# Altium PCB 11BRANMB10H2_20170927.pcbdoc (part 6 of 11)
Units mm, origin at the board's own origin, x right, y up, seen from the top; angles counter-clockwise.
Board outline 91.65 x 48.25 mm, 6 copper layers (TOP, GND1, Singal, POWER, GND2, BOTTOM), stack 0.8 mm thick; 370 components, 289 nets, 1421 pads, 980 vias.
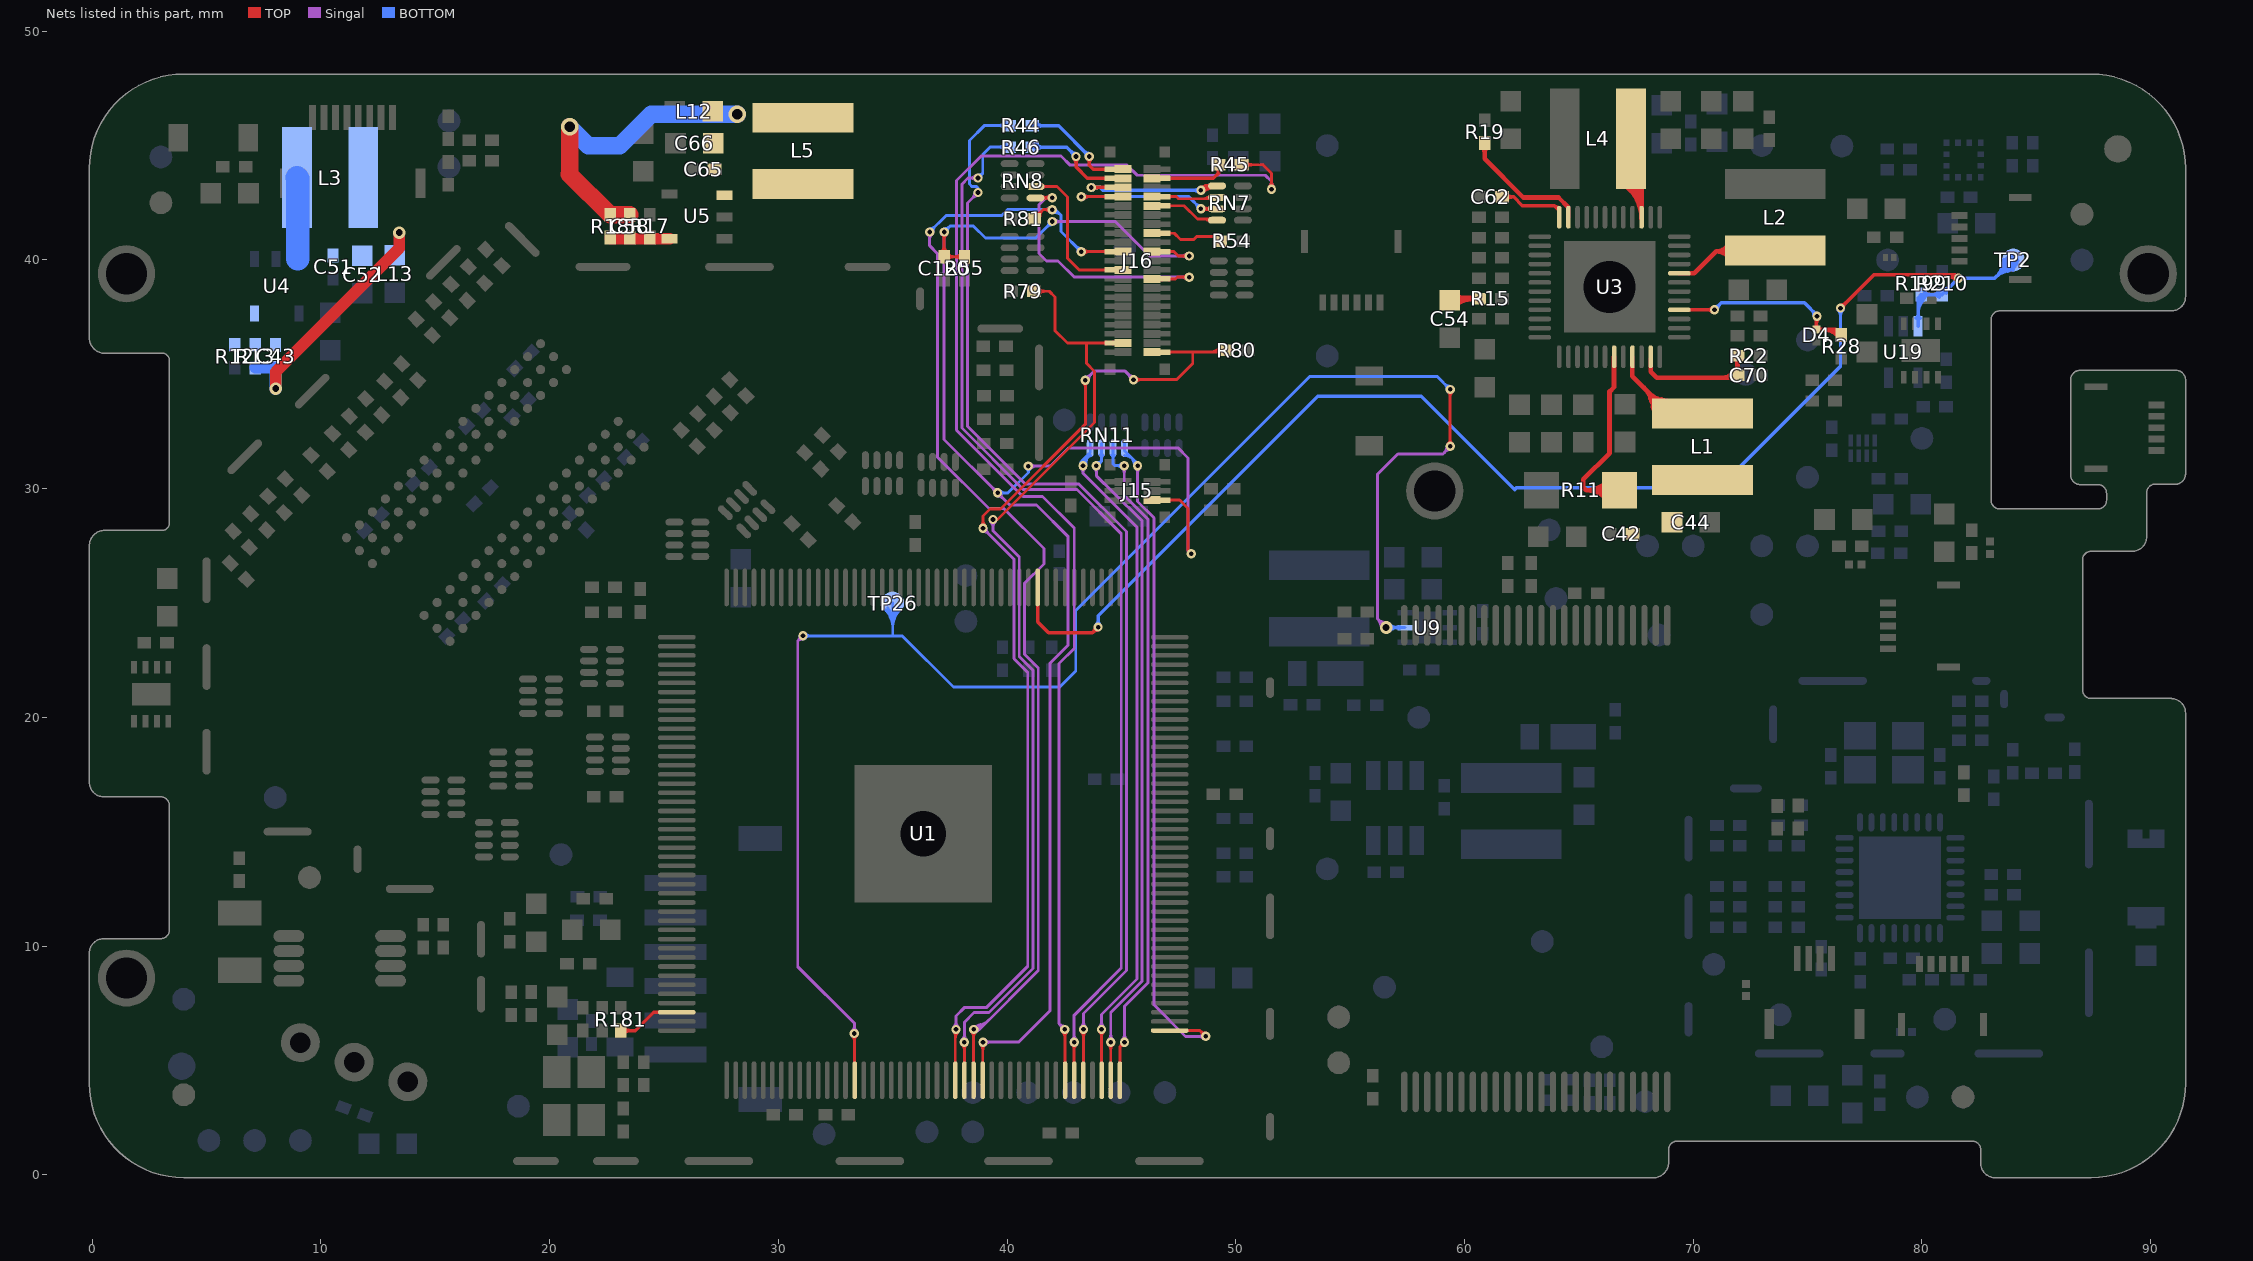
[diagram p10: the nets of this part, all layers, seen from the top]

## Via types
v1: diameter 0.406, hole 0.203, TOP to BOTTOM, tented both sides, 450 vias
v2: diameter 0.457, hole 0.254, TOP to BOTTOM, tented both sides, 256 vias
v3: diameter 0.559, hole 0.305, TOP to BOTTOM, tented both sides, 184 vias
v4: diameter 0.762, hole 0.457, TOP to BOTTOM, tented both sides, 69 vias
v5: diameter 0.61, hole 0.33, TOP to BOTTOM, tented both sides, 11 vias
v6: diameter 0.5, hole 0.2, TOP to BOTTOM, 9 vias
v7: diameter 0.508, hole 0.254, TOP to BOTTOM, tented both sides, 1 vias

## Nets (pads, with @x,y where several pads share a name; then routed paths per layer and width w, separated by ;. In a path a pad name is that pad's centre, name@x,y a point inside that pad or via, vN(x,y) a via of type N, cw(c..) or ccw(c..) an arc to the next point about the centre after c; other vN are vias at no path point) (continued)
LCD-D20: RN11.1 U1.133 | length 35.5
  TOP w0.127: U1.133@47.11,6.308 48.435,6.308 v1(48.69,6.053) ; 48.494,6.245 cw(c48.428,5.999) v1@48.678,6.05 ; 48.498,6.249 ccw(c48.744,6.315) v1@48.693,6.065 ; 48.452,6.291 ccw(c48.69,6.53) 48.69,6.193 cw(c48.69,6.53) 48.452,6.291 ; 48.452,6.291 cw(c48.213,6.053) 48.55,6.053 ccw(c48.213,6.053) 48.452,6.291
  Singal w0.127: v1(45.707,31.007) 45.707,29.442 46.422,28.727 46.422,7.432 47.801,6.053 v1(48.69,6.053) ; 45.707,30.67 ccw(c45.37,30.67) 45.608,30.908 cw(c45.37,30.67) 45.707,30.67 ; 45.707,30.67 cw(c46.044,30.67) 45.806,30.908 ccw(c46.044,30.67) 45.707,30.67 ; 48.353,6.053 ccw(c48.353,6.39) 48.591,6.152 cw(c48.353,6.39) 48.353,6.053 ; 48.353,6.053 cw(c48.353,5.716) 48.591,5.954 ccw(c48.353,5.716) 48.353,6.053
  BOTTOM w0.127: RN11.1@45.136,31.974 RN11.1@45.136,31.774 45.136,31.656 45.682,31.111 45.682,31.032 v1(45.707,31.007) ; 45.501,31.254 ccw(c45.839,31.344) v1@45.712,31.019 ; RN11.1@45.136,31.444 cw(c45.136,30.933) 45.498,31.294 ccw(c45.136,30.933) RN11.1@45.136,31.444 ; 45.413,31.379 cw(c45.041,31.007) 45.568,31.007 ccw(c45.041,31.007) 45.413,31.379 ; 45.603,31.19 ccw(c45.707,31.294) 45.707,31.147 cw(c45.707,31.294) 45.603,31.19
LCD-D21: RN11.2 U1.132 | length 33.9
  TOP w0.127: U1.132@44.935,4.133 44.935,5.6 ; v1(45.134,5.799) 44.935,5.6 ; 44.935,5.6 ccw(c44.784,5.751) 44.996,5.78 cw(c44.784,5.751) 44.935,5.6 ; 44.935,5.6 cw(c45.086,5.449) 45.115,5.661 ccw(c45.086,5.449) 44.935,5.6
  Singal w0.127: v1(45.123,31.007) 45.123,29.703 46.16,28.665 46.16,8.395 45.134,7.369 v1(45.134,5.799) ; 45.123,30.67 ccw(c44.786,30.67) 45.024,30.908 cw(c44.786,30.67) 45.123,30.67 ; 45.123,30.67 cw(c45.46,30.67) 45.222,30.908 ccw(c45.46,30.67) 45.123,30.67 ; 45.134,6.136 ccw(c45.471,6.136) 45.233,5.898 cw(c45.471,6.136) 45.134,6.136 ; 45.134,6.136 cw(c44.797,6.136) 45.035,5.898 ccw(c44.797,6.136) 45.134,6.136
  BOTTOM w0.127: RN11.2@44.636,31.974 RN11.2@44.636,31.774 44.636,31.089 44.719,31.007 v1(45.123,31.007) ; 44.636,31.318 ccw(c44.422,31.318) 44.573,31.47 cw(c44.422,31.318) 44.636,31.318 ; 44.636,31.318 cw(c44.851,31.318) 44.699,31.47 ccw(c44.851,31.318) 44.636,31.318 ; 44.786,31.007 ccw(c44.786,31.344) 45.024,31.106 cw(c44.786,31.344) 44.786,31.007 ; 44.786,31.007 cw(c44.786,30.67) 45.024,30.908 ccw(c44.786,30.67) 44.786,31.007
LCD-D22: RN11.3 U1.131 | length 34.1
  TOP w0.127: U1.131@44.535,4.133 v1@44.535,5.798 ; v1@44.435,5.7 cw(c44.194,5.459) 44.535,5.459 ccw(c44.194,5.459) v1@44.435,5.7 ; 44.535,5.465 cw(c44.868,5.465) 44.633,5.7 ccw(c44.868,5.465) 44.535,5.465
  Singal w0.127: v1(43.904,31.009) 43.904,30.569 44.648,29.825 45.905,28.596 45.905,8.464 44.534,7.092 v1(44.534,5.799) ; 43.904,30.672 ccw(c43.567,30.672) 43.805,30.91 cw(c43.567,30.672) 43.904,30.672 ; 43.904,30.672 cw(c44.241,30.672) 44.003,30.91 ccw(c44.241,30.672) 43.904,30.672 ; 44.534,6.136 ccw(c44.871,6.136) 44.633,5.898 cw(c44.871,6.136) 44.534,6.136 ; 44.534,6.136 cw(c44.197,6.136) 44.435,5.898 ccw(c44.197,6.136) 44.534,6.136
  BOTTOM w0.127: v1(43.904,31.009) 43.904,30.983 43.917,30.996 44.136,31.216 ; RN11.3@44.136,31.974 RN11.3@44.136,31.774 44.136,31.216 ; 44.136,31.216 cw(c43.963,31.389) 43.925,31.147 ccw(c43.963,31.389) 44.136,31.216 ; 44.136,31.318 ccw(c43.922,31.318) 44.074,31.47 cw(c43.922,31.318) 44.136,31.318 ; 44.136,31.318 cw(c44.351,31.318) 44.199,31.47 ccw(c44.351,31.318) 44.136,31.318 ; v1@44.044,31.009 cw(c44.318,31.009) 44.124,31.203 ccw(c44.318,31.009) v1@44.044,31.009
LCD-D23: RN11.4 U1.130 | length 37.7
  TOP w0.127: U1.130@44.135,4.133 v1@44.135,6.35 ; v1@44.029,6.259 cw(c43.771,6.002) 44.135,6.002 ccw(c43.771,6.002) v1@44.029,6.259 ; 44.135,6.039 cw(c44.446,6.039) 44.226,6.259 ccw(c44.446,6.039) 44.135,6.039
  Singal w0.127: v1(43.32,31.007) 43.32,30.674 ; v1(44.127,6.358) 44.127,7.009 45.677,8.559 45.677,28.317 43.32,30.674 ; 43.32,30.674 ccw(c42.993,30.674) 43.222,30.907 cw(c42.993,30.674) 43.32,30.674 ; 43.32,30.674 cw(c43.647,30.674) 43.417,30.907 ccw(c43.647,30.674) 43.32,30.674 ; 44.127,6.695 ccw(c44.465,6.695) 44.226,6.457 cw(c44.465,6.695) 44.127,6.695 ; 44.127,6.695 cw(c43.79,6.695) 44.029,6.457 ccw(c43.79,6.695) 44.127,6.695
  BOTTOM w0.127: v1@43.25,31.128 ccw(c43.136,31.326) 43.363,31.302 ccw(c43.634,31.274) v1@43.426,31.097 ; v1@43.312,31.017 ccw(c43.002,31.398) 43.491,31.347 ; v1(43.32,31.007) 43.32,31.263 ; 43.481,31.31 cw(c43.736,31.163) RN11.4@43.659,31.447 ; 43.537,31.408 ccw(c43.42,31.475) RN11.4@43.55,31.51 ; RN11.4@43.636,31.974 RN11.4@43.636,31.774 RN11.4@43.636,31.58 ; 43.32,31.263 ccw(c43.485,31.263) 43.395,31.124 cw(c43.485,31.263) 43.32,31.263 ; 43.32,31.263 cw(c43.155,31.263) 43.244,31.124 ccw(c43.155,31.263) 43.32,31.263 ; 43.32,31.263 RN11.4@43.636,31.58 ; RN11.4@43.636,31.58 ccw(c44.087,31.129) 43.458,31.029 cw(c44.087,31.129) RN11.4@43.636,31.58 ; v1@43.207,30.989 cw(c43.48,31.032) 43.284,31.228 ccw(c43.48,31.032) v1@43.207,30.989 ; v1@43.332,31.009 cw(c43.783,31.081) 43.46,31.404 ccw(c43.783,31.081) v1@43.332,31.009 ; 43.405,31.348 cw(c43.636,31.117) 43.636,31.444 ccw(c43.636,31.117) 43.405,31.348
LCD-DE: R44.2 U1.128 | length 53.2
  TOP w0.127: U1.128@43.335,4.133 43.34,4.138 v1(43.34,6.358) ; 43.34,6.021 ccw(c43.003,6.021) 43.241,6.259 cw(c43.003,6.021) 43.34,6.021 ; 43.34,6.021 cw(c43.677,6.021) 43.439,6.259 ccw(c43.677,6.021) 43.34,6.021
  Singal w0.127: v1(38.726,42.951) 38.269,42.494 38.269,32.73 40.803,30.196 43.147,30.196 45.22,28.123 45.22,8.933 43.34,7.053 v1(43.34,6.358) ; 38.488,42.713 ccw(c38.249,42.951) 38.586,42.951 cw(c38.249,42.951) 38.488,42.713 ; 38.488,42.713 cw(c38.726,42.474) 38.726,42.812 ccw(c38.726,42.474) 38.488,42.713 ; 43.34,6.695 ccw(c43.677,6.695) 43.439,6.457 cw(c43.677,6.695) 43.34,6.695 ; 43.34,6.695 cw(c43.003,6.695) 43.241,6.457 ccw(c43.003,6.695) 43.34,6.695
  BOTTOM w0.127: v1(38.726,42.951) 38.726,43.151 38.672,43.205 38.472,43.205 38.358,43.32 38.358,45.229 39.001,45.872 R44.2@40.101,45.872 ; 39.601,45.872 ccw(c39.601,46.323) 39.92,46.004 cw(c39.601,46.323) 39.601,45.872 ; 39.601,45.872 cw(c39.601,45.422) 39.92,45.741 ccw(c39.601,45.422) 39.601,45.872
LCD-HSYNC: R46.2 U1.127 | length 54.6
  TOP w0.127: v1(42.934,5.799) 42.934,4.134 U1.127@42.935,4.133 ; 42.934,5.462 ccw(c42.596,5.462) 42.835,5.7 cw(c42.596,5.462) 42.934,5.462 ; 42.934,5.462 cw(c43.271,5.462) 43.032,5.7 ccw(c43.271,5.462) 42.934,5.462
  Singal w0.127: v1@38.823,43.586 v1(38.726,43.586) ; v1(42.934,5.799) 42.934,6.981 44.991,9.038 44.991,28.028 43.052,29.968 40.708,29.968 38.024,32.652 38.024,43.313 38.297,43.586 ; 38.297,43.586 v1(38.726,43.586) ; 38.297,43.586 v1(38.726,43.586) ; 38.389,43.586 ccw(c38.389,43.924) v1@38.627,43.685 ; 38.389,43.586 cw(c38.389,43.249) v1@38.627,43.488 ; 38.389,43.586 ccw(c38.389,43.924) v1@38.627,43.685 ; 38.389,43.586 cw(c38.389,43.249) v1@38.627,43.488 ; 38.389,43.586 ccw(c38.389,43.924) v1@38.627,43.685 ; 38.389,43.586 cw(c38.389,43.249) v1@38.627,43.488 ; 38.389,43.586 ccw(c38.389,43.924) v1@38.627,43.685 ; 38.389,43.586 cw(c38.389,43.249) v1@38.627,43.488 ; 42.934,6.136 ccw(c43.271,6.136) 43.032,5.898 cw(c43.271,6.136) 42.934,6.136 ; 42.934,6.136 cw(c42.596,6.136) 42.835,5.898 ccw(c42.596,6.136) 42.934,6.136
  BOTTOM w0.127: v1(38.726,43.586) 38.938,43.799 ; R46.2@40.101,44.933 39.255,44.933 38.938,44.616 38.938,43.799 ; 38.938,43.799 ccw(c39.117,43.62) 38.865,43.598 cw(c39.117,43.62) 38.938,43.799 ; 38.938,43.799 cw(c38.76,43.977) 38.738,43.726 ccw(c38.76,43.977) 38.938,43.799 ; 39.601,44.933 ccw(c39.601,45.383) 39.92,45.064 cw(c39.601,45.383) 39.601,44.933 ; 39.601,44.933 cw(c39.601,44.482) 39.92,44.801 ccw(c39.601,44.482) 39.601,44.933
LCD-PWM0: TP26.1 U1.103 U9.5 | length 91.6
  TOP w0.127: v1(33.323,6.18) 33.323,4.145 U1.103@33.335,4.133 ; v1(59.372,31.852) v1(59.372,34.341) ; 33.323,5.843 ccw(c32.986,5.843) 33.224,6.081 cw(c32.986,5.843) 33.323,5.843 ; 33.323,5.843 cw(c33.66,5.843) 33.422,6.081 ccw(c33.66,5.843) 33.323,5.843 ; 59.372,32.189 ccw(c59.709,32.189) 59.471,31.95 cw(c59.709,32.189) 59.372,32.189 ; 59.372,32.189 cw(c59.035,32.189) 59.273,31.95 ccw(c59.035,32.189) 59.372,32.189 ; 59.372,34.004 ccw(c59.035,34.004) 59.273,34.242 cw(c59.035,34.004) 59.372,34.004 ; 59.372,34.004 cw(c59.709,34.004) 59.471,34.242 ccw(c59.709,34.004) 59.372,34.004 ; 33.323,4.975 ccw(c33.452,4.975) 33.361,4.884 cw(c33.452,4.975) 33.323,4.975
  Singal w0.127: v1(31.077,23.565) 30.848,23.336 ; v1(33.323,6.18) 33.323,6.625 30.848,9.1 30.848,23.336 ; 56.305,24.139 ccw(c56.64,24.229) v3@56.57,23.889 ; 56.366,24.2 cw(c56.276,23.865) v3@56.615,23.934 ; v3(56.578,23.927) 56.197,24.308 56.197,30.632 57.086,31.521 59.067,31.521 59.372,31.826 v1(59.372,31.852) ; 30.848,23.336 ccw(c30.632,23.552) 30.937,23.561 cw(c30.632,23.552) 30.848,23.336 ; 30.848,23.336 cw(c31.064,23.12) 31.073,23.425 ccw(c31.064,23.12) 30.848,23.336 ; 33.323,6.517 ccw(c33.66,6.517) 33.422,6.279 cw(c33.66,6.517) 33.323,6.517 ; 33.323,6.517 cw(c32.986,6.517) 33.224,6.279 ccw(c32.986,6.517) 33.323,6.517 ; 56.209,24.295 ccw(c56.578,24.664) 56.578,24.143 cw(c56.578,24.664) 56.209,24.295 ; 56.209,24.295 cw(c55.841,23.927) 56.362,23.927 ccw(c55.841,23.927) 56.209,24.295 ; 59.116,31.57 ccw(c58.834,31.852) 59.232,31.852 cw(c58.834,31.852) 59.116,31.57 ; 59.177,31.631 cw(c59.372,31.436) 59.372,31.712 ccw(c59.372,31.436) 59.177,31.631
  BOTTOM w0.127: v1(31.077,23.565) 35.42,23.565 37.655,21.329 42.306,21.329 43.002,22.026 43.002,24.67 53.232,34.9 58.813,34.9 v1(59.372,34.341) ; 35,23.577 TP26.1@35,25 ; v3(56.578,23.927) U9.5@57.406,23.927 ; 57.001,23.901 cw(c57.06,23.682) U9.5@57.173,23.878 ; 57.001,23.953 ccw(c57.06,24.172) U9.5@57.173,23.976 ; 31.414,23.565 ccw(c31.414,23.227) 31.176,23.466 cw(c31.414,23.227) 31.414,23.565 ; 31.414,23.565 cw(c31.414,23.902) 31.176,23.663 ccw(c31.414,23.902) 31.414,23.565 ; 35,23.946 ccw(c33.946,23.946) 34.691,24.691 cw(c33.946,23.946) 35,23.946 ; 35,23.946 cw(c36.054,23.946) 35.309,24.691 ccw(c36.054,23.946) 35,23.946 ; 35,24.253 ccw(c34.253,24.253) 34.781,24.781 cw(c34.253,24.253) 35,24.253 ; 35,24.253 cw(c35.747,24.253) 35.219,24.781 ccw(c35.747,24.253) 35,24.253 ; 57.065,23.927 ccw(c57.065,24.063) 57.161,23.967 cw(c57.065,24.063) 57.065,23.927 ; 57.065,23.927 cw(c57.065,23.79) 57.161,23.887 ccw(c57.065,23.79) 57.065,23.927 ; U9.5@57.099,23.927 ccw(c57.099,23.406) 56.731,23.774 cw(c57.099,23.406) U9.5@57.099,23.927 ; U9.5@57.099,23.927 cw(c57.099,24.448) 56.731,24.079 ccw(c57.099,24.448) U9.5@57.099,23.927 ; 59.134,34.579 ccw(c59.372,34.818) 59.372,34.48 cw(c59.372,34.818) 59.134,34.579 ; 59.134,34.579 cw(c58.895,34.341) 59.232,34.341 ccw(c58.895,34.341) 59.134,34.579
LCD-RESET-N: C120.2 J15.5 J16.19 R55.1 U1.117 | length 96.2
  TOP w0.127: v1@37.249,41.268 v1(37.249,41.224) C120.2@37.249,40.143 R55.1@38.138,40.143 ; U1.117@38.935,4.133 v1@38.935,5.788 ; J15.5@46.335,29.5 J15.5@46.925,29.5 47.546,29.5 47.917,29.129 47.917,27.283 v1(48.048,27.152) ; J16.19@46.335,40.37 J16.19@46.925,40.37 47.291,40.37 47.485,40.176 v1(47.968,40.176) v1@47.993,40.176 ; 37.249,40.643 ccw(c37.699,40.643) 37.381,40.325 cw(c37.699,40.643) 37.249,40.643 ; 37.249,40.643 cw(c36.799,40.643) 37.117,40.325 ccw(c36.799,40.643) 37.249,40.643 ; 37.688,40.143 ccw(c37.688,40.593) 38.006,40.275 cw(c37.688,40.593) 37.688,40.143 ; 37.688,40.143 cw(c37.688,39.693) 38.006,40.011 ccw(c37.688,39.693) 37.688,40.143 ; 37.699,40.143 ccw(c37.699,39.693) 37.381,40.011 cw(c37.699,39.693) 37.699,40.143 ; 37.699,40.143 cw(c37.699,40.593) 37.381,40.275 ccw(c37.699,40.593) 37.699,40.143 ; J15.5@46.684,29.5 ccw(c46.684,29.636) 46.78,29.54 cw(c46.684,29.636) J15.5@46.684,29.5 ; J15.5@46.684,29.5 cw(c46.684,29.364) 46.78,29.46 ccw(c46.684,29.364) J15.5@46.684,29.5 ; J16.19@46.684,40.37 ccw(c46.684,40.506) 46.78,40.41 cw(c46.684,40.506) J16.19@46.684,40.37 ; J16.19@46.684,40.37 cw(c46.684,40.234) 46.78,40.33 ccw(c46.684,40.234) J16.19@46.684,40.37 ; 47.166,29.5 ccw(c47.166,29.364) 47.07,29.46 cw(c47.166,29.364) 47.166,29.5 ; 47.166,29.5 cw(c47.166,29.636) 47.07,29.54 ccw(c47.166,29.636) 47.166,29.5 ; 47.166,40.37 ccw(c47.166,40.234) 47.07,40.33 cw(c47.166,40.234) 47.166,40.37 ; 47.166,40.37 cw(c47.166,40.506) 47.07,40.41 ccw(c47.166,40.506) 47.166,40.37 ; 47.631,40.176 ccw(c47.631,40.513) 47.869,40.275 cw(c47.631,40.513) 47.631,40.176 ; 47.631,40.176 cw(c47.631,39.839) 47.869,40.077 ccw(c47.631,39.839) 47.631,40.176 ; v1@37.15,41.125 cw(c36.91,40.886) 37.249,40.886 ccw(c36.91,40.886) v1@37.15,41.125 ; 37.249,40.888 cw(c37.585,40.888) 37.347,41.125 ccw(c37.585,40.888) 37.249,40.888 ; v1@38.847,5.7 cw(c38.634,5.488) 38.935,5.488 ccw(c38.634,5.488) v1@38.847,5.7 ; 38.935,5.436 cw(c39.309,5.436) 39.045,5.7 ccw(c39.309,5.436) 38.935,5.436
  Singal w0.127: v1(37.249,41.224) 37.249,32.156 v1(39.585,29.82) 40.119,29.286 41.287,29.286 42.672,27.901 42.672,23.165 41.876,22.368 41.876,7.175 40.5,5.799 v1(38.946,5.799) ; v1(40.932,30.988) 41.897,30.988 42.684,31.775 47.485,31.775 47.917,31.343 47.917,27.283 v1(48.048,27.152) ; v1(41.977,41.681) 44.729,41.681 46.234,40.176 v1(47.968,40.176) ; 37.249,40.887 ccw(c36.911,40.887) 37.15,41.125 cw(c36.911,40.887) 37.249,40.887 ; 37.249,40.887 cw(c37.586,40.887) 37.347,41.125 ccw(c37.586,40.887) 37.249,40.887 ; 39.283,5.799 ccw(c39.283,5.462) 39.045,5.7 cw(c39.283,5.462) 39.283,5.799 ; 39.283,5.799 cw(c39.283,6.136) 39.045,5.898 ccw(c39.283,6.136) 39.283,5.799 ; 39.347,30.058 ccw(c39.585,30.297) 39.585,29.959 cw(c39.585,30.297) 39.347,30.058 ; 39.347,30.058 cw(c39.108,29.82) 39.446,29.82 ccw(c39.108,29.82) 39.347,30.058 ; 39.824,29.581 ccw(c39.585,29.343) 39.585,29.68 cw(c39.585,29.343) 39.824,29.581 ; 39.824,29.581 cw(c40.062,29.82) 39.725,29.82 ccw(c40.062,29.82) 39.824,29.581 ; 41.269,30.988 ccw(c41.269,30.651) 41.03,30.889 cw(c41.269,30.651) 41.269,30.988 ; 41.269,30.988 cw(c41.269,31.325) 41.03,31.087 ccw(c41.269,31.325) 41.269,30.988 ; 42.314,41.681 ccw(c42.314,41.344) 42.076,41.582 cw(c42.314,41.344) 42.314,41.681 ; 42.314,41.681 cw(c42.314,42.018) 42.076,41.78 ccw(c42.314,42.018) 42.314,41.681 ; 47.631,40.176 ccw(c47.631,40.513) 47.869,40.275 cw(c47.631,40.513) 47.631,40.176 ; 47.631,40.176 cw(c47.631,39.839) 47.869,40.077 ccw(c47.631,39.839) 47.631,40.176
  BOTTOM w0.127: v1(37.249,41.224) 37.502,41.478 38.536,41.478 39.056,40.957 41.254,40.957 v1(41.977,41.681) ; v1(39.585,29.82) 40.043,29.82 40.932,30.709 ; v1(40.932,30.988) 40.932,30.709 ; 37.487,41.463 ccw(c37.726,41.224) 37.388,41.224 cw(c37.726,41.224) 37.487,41.463 ; 37.487,41.463 cw(c37.249,41.701) 37.249,41.364 ccw(c37.249,41.701) 37.487,41.463 ; 39.923,29.82 ccw(c39.923,29.482) 39.684,29.721 cw(c39.923,29.482) 39.923,29.82 ; 39.923,29.82 cw(c39.923,30.157) 39.684,29.918 ccw(c39.923,30.157) 39.923,29.82 ; 40.932,30.709 ccw(c40.722,30.709) 40.848,30.876 cw(c40.722,30.709) 40.932,30.709 ; 40.932,30.709 cw(c41.141,30.709) 41.015,30.876 ccw(c41.141,30.709) 40.932,30.709 ; 41.739,41.443 ccw(c41.5,41.681) 41.838,41.681 cw(c41.5,41.681) 41.739,41.443 ; 41.739,41.443 cw(c41.977,41.204) 41.977,41.541 ccw(c41.977,41.204) 41.739,41.443
LCD-SPI1_CLK: J16.40 R79.2 U1.115 | length 47.8
  TOP w0.127: U1.115@38.135,4.133 v1@38.135,5.797 ; v1(39.382,28.651) 39.578,28.651 43.827,32.9 43.827,35.128 43.472,35.484 43.472,36.37 ; R79.2@41.178,38.633 41.846,38.633 42.1,38.379 42.1,36.906 42.636,36.37 43.472,36.37 ; J16.40@45.065,36.37 J16.40@44.475,36.37 43.472,36.37 ; 41.678,38.633 ccw(c41.678,38.183) 41.359,38.502 cw(c41.678,38.183) 41.678,38.633 ; 41.678,38.633 cw(c41.678,39.084) 41.359,38.765 ccw(c41.678,39.084) 41.678,38.633 ; 44.234,36.37 ccw(c44.234,36.506) 44.33,36.41 cw(c44.234,36.506) 44.234,36.37 ; 44.234,36.37 cw(c44.234,36.234) 44.33,36.33 ccw(c44.234,36.234) 44.234,36.37 ; J16.40@44.716,36.37 ccw(c44.716,36.234) 44.62,36.33 cw(c44.716,36.234) J16.40@44.716,36.37 ; J16.40@44.716,36.37 cw(c44.716,36.506) 44.62,36.41 ccw(c44.716,36.506) J16.40@44.716,36.37 ; v1@38.034,5.7 cw(c37.79,5.456) 38.135,5.456 ccw(c37.79,5.456) v1@38.034,5.7 ; 38.135,5.467 cw(c38.465,5.467) 38.232,5.7 ccw(c38.465,5.467) 38.135,5.467
  Singal w0.127: v1(38.133,5.799) 38.136,5.802 38.136,6.51 38.133,6.514 38.133,6.672 38.555,7.094 39.205,7.094 41.135,9.024 41.135,22.061 40.533,22.663 40.533,27.011 39.382,28.162 v1(39.382,28.651) ; 39.382,28.314 ccw(c39.045,28.314) 39.283,28.552 cw(c39.045,28.314) 39.382,28.314 ; 39.382,28.314 cw(c39.719,28.314) 39.481,28.552 ccw(c39.719,28.314) 39.382,28.314 ; v1@38.034,5.898 ccw(c37.788,6.144) 38.136,6.144 cw(c37.788,6.144) v1@38.034,5.898 ; 38.136,6.128 ccw(c38.462,6.128) 38.232,5.898 cw(c38.462,6.128) 38.136,6.128
LCD-SPI1_CS0: J16.41 R80.2 U1.114 | length 55.7
  TOP w0.127: U1.114@37.735,4.133 v1@37.735,6.325 ; v1(38.95,28.27) 38.95,28.804 39.255,29.108 39.712,29.108 43.421,32.817 v1(43.421,34.747) ; v1(45.529,34.766) 47.409,34.766 48.12,35.477 48.12,35.97 ; J16.41@46.335,35.97 J16.41@46.925,35.97 48.12,35.97 ; R80.2@49.525,36.061 49.434,35.97 48.12,35.97 ; 38.95,28.607 ccw(c39.288,28.607) 39.049,28.369 cw(c39.288,28.607) 38.95,28.607 ; 38.95,28.607 cw(c38.613,28.607) 38.852,28.369 ccw(c38.613,28.607) 38.95,28.607 ; 43.421,34.41 ccw(c43.084,34.41) 43.322,34.648 cw(c43.084,34.41) 43.421,34.41 ; 43.421,34.41 cw(c43.758,34.41) 43.52,34.648 ccw(c43.758,34.41) 43.421,34.41 ; 45.867,34.766 ccw(c45.867,34.429) 45.628,34.667 cw(c45.867,34.429) 45.867,34.766 ; 45.867,34.766 cw(c45.867,35.103) 45.628,34.865 ccw(c45.867,35.103) 45.867,34.766 ; J16.41@46.684,35.97 ccw(c46.684,36.106) 46.78,36.01 cw(c46.684,36.106) J16.41@46.684,35.97 ; J16.41@46.684,35.97 cw(c46.684,35.834) 46.78,35.93 ccw(c46.684,35.834) J16.41@46.684,35.97 ; 47.166,35.97 ccw(c47.166,35.834) 47.07,35.93 cw(c47.166,35.834) 47.166,35.97 ; 47.166,35.97 cw(c47.166,36.106) 47.07,36.01 ccw(c47.166,36.106) 47.166,35.97 ; v1@37.669,6.259 cw(c37.51,6.1) 37.735,6.1 ccw(c37.51,6.1) v1@37.669,6.259 ; 37.735,5.941 cw(c38.185,5.941) 37.867,6.259 ccw(c38.185,5.941) 37.735,5.941 ; 48.804,35.97 ccw(c48.804,36.732) 49.343,36.193 cw(c48.804,36.732) 48.804,35.97 ; 49.111,35.97 ccw(c49.111,36.426) 49.433,36.103 cw(c49.111,36.426) 49.111,35.97
  Singal w0.127: v1(37.768,6.358) 37.768,6.942 38.149,7.323 39.11,7.323 40.906,9.119 40.906,21.966 40.305,22.568 40.305,26.916 v1(38.95,28.27) ; v1(43.421,34.747) 43.827,35.154 45.142,35.154 v1(45.529,34.766) ; 37.768,6.695 ccw(c38.105,6.695) 37.867,6.457 cw(c38.105,6.695) 37.768,6.695 ; 37.768,6.695 cw(c37.431,6.695) 37.669,6.457 ccw(c37.431,6.695) 37.768,6.695 ; 39.189,28.032 ccw(c38.95,27.793) 38.95,28.13 cw(c38.95,27.793) 39.189,28.032 ; 39.189,28.032 cw(c39.427,28.27) 39.09,28.27 ccw(c39.427,28.27) 39.189,28.032 ; 43.659,34.986 ccw(c43.898,34.747) 43.56,34.747 cw(c43.898,34.747) 43.659,34.986 ; 43.659,34.986 cw(c43.421,35.224) 43.421,34.887 ccw(c43.421,35.224) 43.659,34.986 ; 45.291,35.004 ccw(c45.529,35.243) 45.529,34.906 cw(c45.529,35.243) 45.291,35.004 ; 45.291,35.004 cw(c45.052,34.766) 45.39,34.766 ccw(c45.052,34.766) 45.291,35.004
LCD-SPI1_MOSI: J16.20 R81.2 U1.116 | length 68.3
  TOP w0.127: U1.116@38.535,4.133 v1@38.535,6.353 ; R81.2@41.178,41.808 41.571,42.202 ; R81.2@41.249,41.744 ccw(c41.15,42.039) R81.2@41.452,41.964 ; v1(41.977,42.202) 41.571,42.202 ; v1@43.257,40.37 J16.20@44.475,40.37 J16.20@45.065,40.37 ; 41.571,42.202 ccw(c41.951,41.822) 41.414,41.812 cw(c41.951,41.822) 41.571,42.202 ; 41.64,42.202 ccw(c41.64,42.539) 41.878,42.301 cw(c41.64,42.539) 41.64,42.202 ; 41.64,42.202 cw(c41.64,41.865) 41.878,42.103 ccw(c41.64,41.865) 41.64,42.202 ; 44.234,40.37 ccw(c44.234,40.506) 44.33,40.41 cw(c44.234,40.506) 44.234,40.37 ; 44.234,40.37 cw(c44.234,40.234) 44.33,40.33 ccw(c44.234,40.234) 44.234,40.37 ; J16.20@44.716,40.37 ccw(c44.716,40.234) 44.62,40.33 cw(c44.716,40.234) J16.20@44.716,40.37 ; J16.20@44.716,40.37 cw(c44.716,40.506) 44.62,40.41 ccw(c44.716,40.506) J16.20@44.716,40.37 ; v1@38.441,6.259 cw(c38.213,6.031) 38.535,6.031 ccw(c38.213,6.031) v1@38.441,6.259 ; 38.535,6.01 cw(c38.887,6.01) 38.638,6.259 ccw(c38.887,6.01) 38.535,6.01 ; R81.2@41.228,41.995 ccw(c41.228,42.324) 41.461,42.091 cw(c41.228,42.324) R81.2@41.228,41.995 ; v1@43.346,40.262 cw(c43.608,40) 43.608,40.37 ccw(c43.608,40) v1@43.346,40.262 ; v1@43.346,40.459 ccw(c43.561,40.674) 43.561,40.37 cw(c43.561,40.674) v1@43.346,40.459